# Altium PCB test.PcbDoc
Units mil, origin at the board's own origin, x right, y up, seen from the top; angles counter-clockwise.
Board outline 6000 x 4000 mil, 2 copper layers (Top Layer, Bottom Layer); 214 components, 128 nets, 538 pads, 0 vias.
Unrouted connection lines stored in the file: 330.
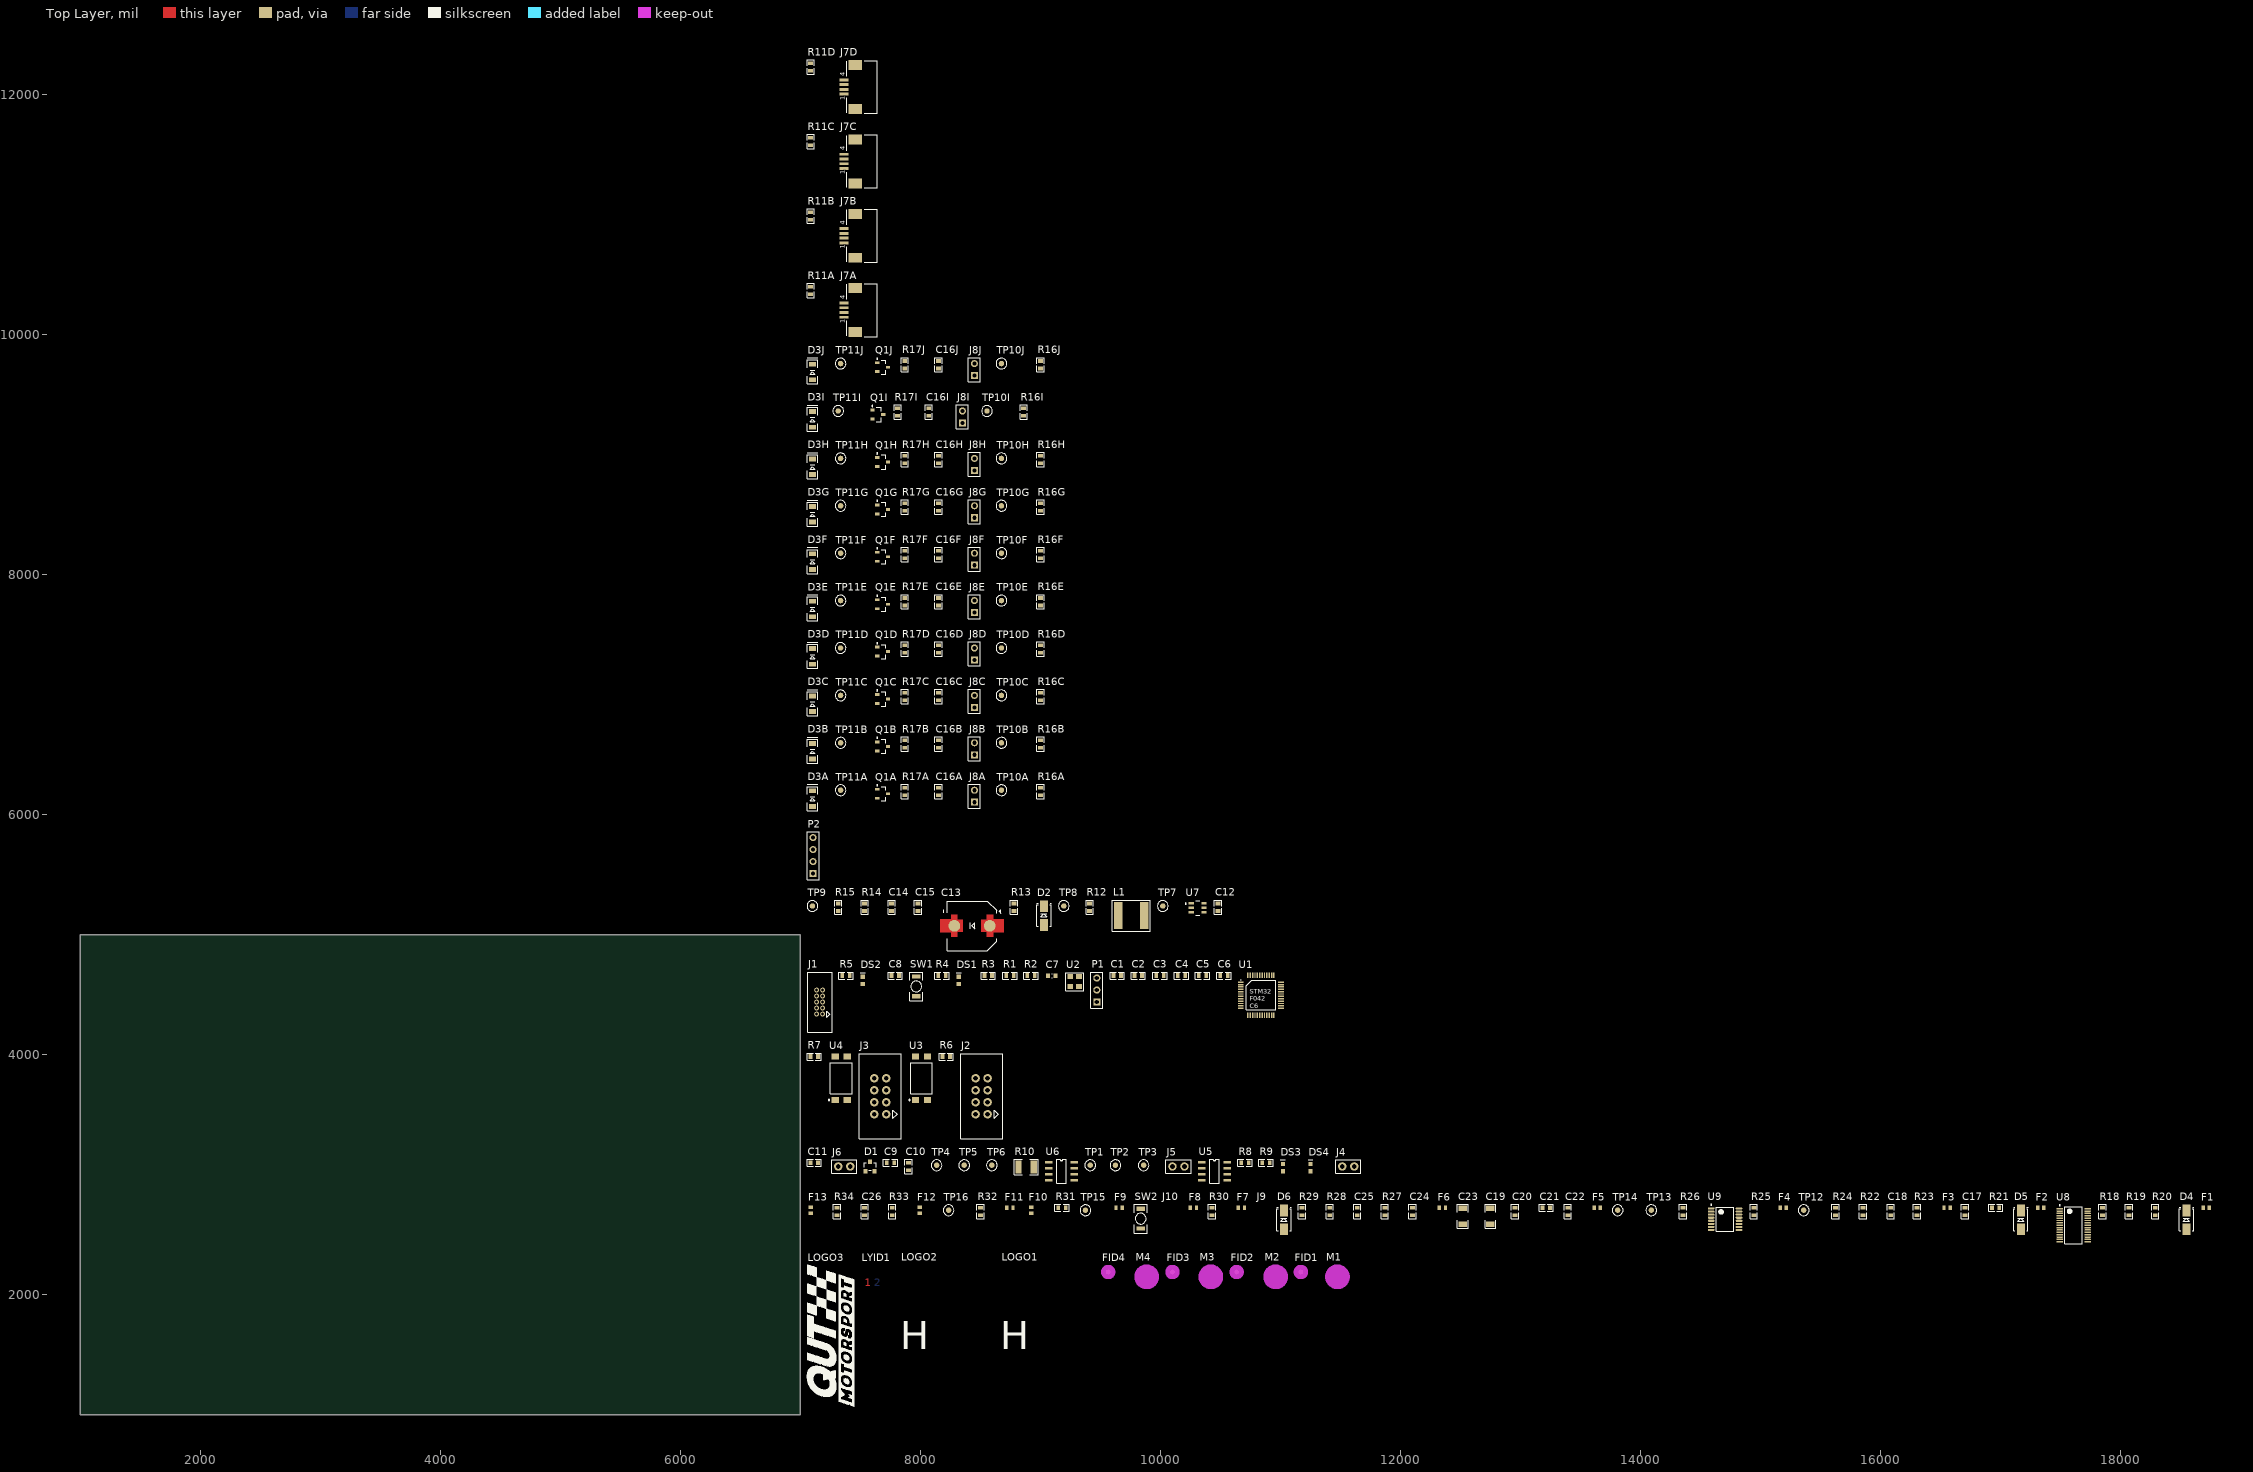
[diagram p0: Top Layer view]
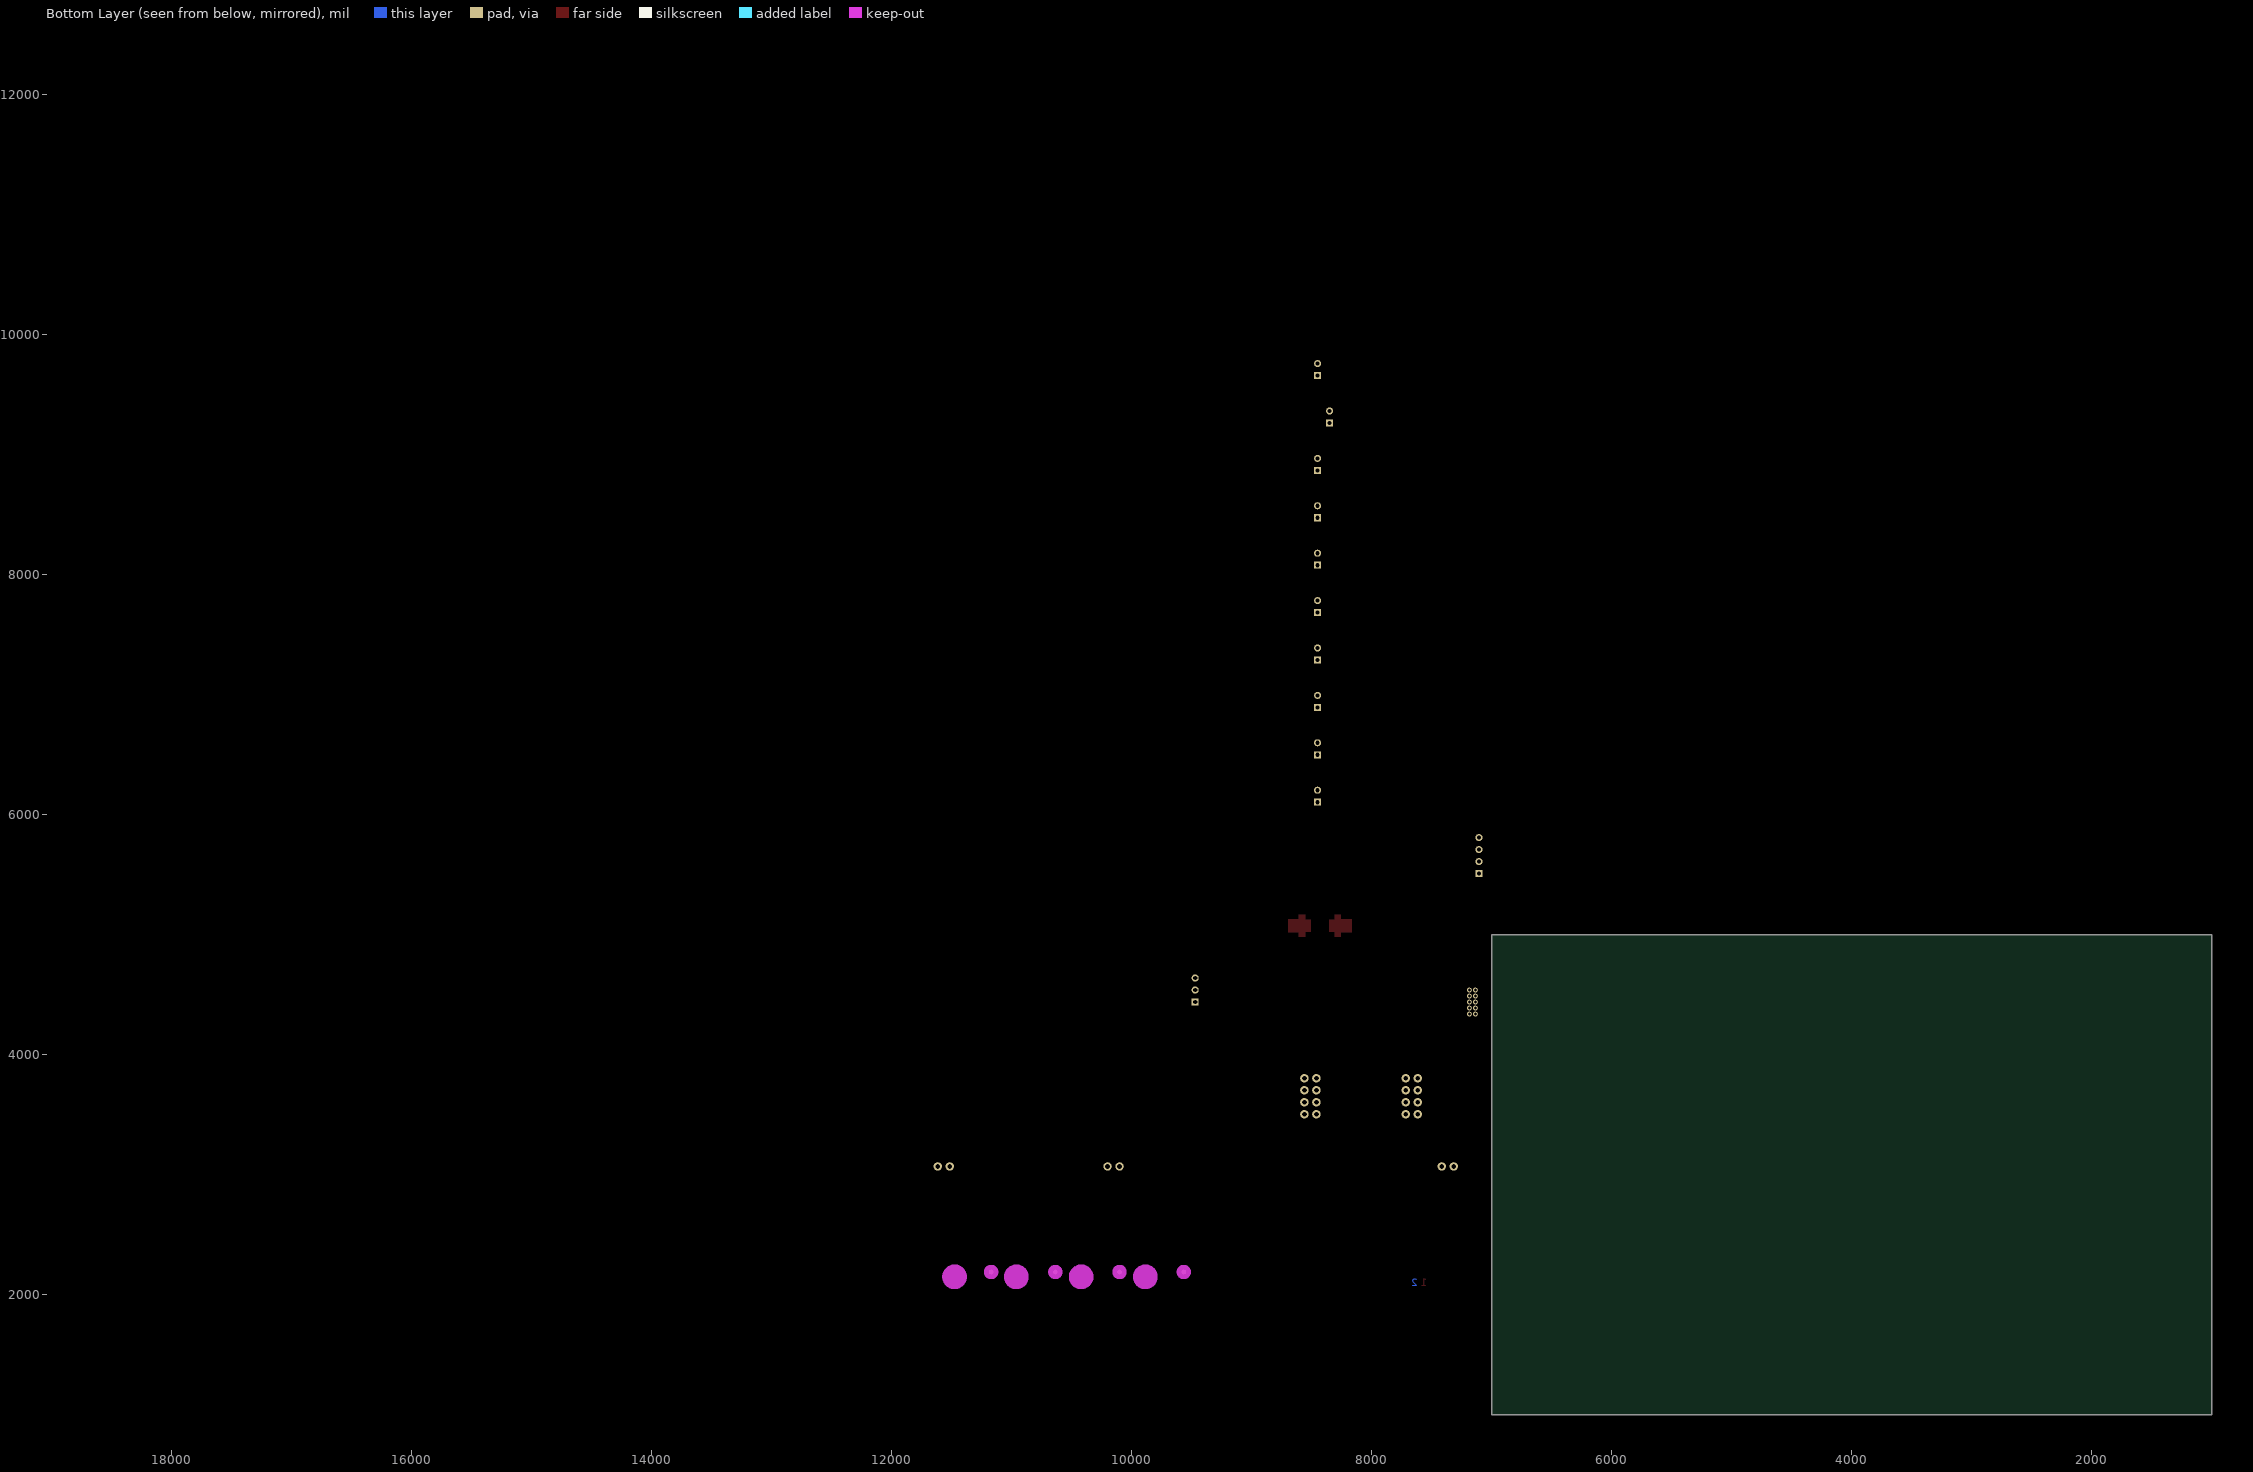
[diagram p1: Bottom Layer view, seen from below]

## Layer stack, top to bottom
Top Solder: solder mask 0.4, Solder Resist, Dk 3.5
Top Layer: signal copper 1.4
Dielectric 1: dielectric 12.6, FR-4, Dk 4.8
Bottom Layer: signal copper 1.4
Bottom Solder: solder mask 0.4, Solder Resist, Dk 3.5

## Board outline
1000,1000 7000,1000 7000,5000 1000,5000

## Design rules (kind name [scope] priority, off if disabled: settings)
Clearance [All] p1: gap=10 ignorepadtopadclearanceinfootprint=FALSE except(0: Arc-Hole Track-Hole SMDPad-Hole THPad-Hole Via-Hole Fill-Hole Poly-Hole Region-Hole Text-Hole)
PolygonConnect [All] p1: connectstyle=Relief reliefconductorwidth=10 reliefentries=4 polygonreliefangle="90 Angle" airgapwidth=10
RoomDefinition "Temperature Sensor Interface" [InComponentClass('Temperature Sensor Interface')] p1: confinementstyle=ConfineIn formatcopy=TRUE lockcomponents=FALSE outline 7045,5450 7180,5450 7180,5970 7045,5970
RoomDefinition PSU [InComponentClass('PSU')] p2: confinementstyle=ConfineIn formatcopy=TRUE lockcomponents=FALSE outline 7045,4850 10625,4850 10625,5400 7045,5400
RoomDefinition Microcontroller [InComponentClass('Microcontroller')] p3: confinementstyle=ConfineIn formatcopy=TRUE lockcomponents=FALSE outline 7045,4180 11040,4180 11040,4800 7045,4800
RoomDefinition Isolation [InComponentClass('Isolation')] p4: confinementstyle=ConfineIn formatcopy=TRUE lockcomponents=FALSE outline 7045,3290 8695,3290 8695,4125 7045,4125
RoomDefinition "Isolated CAN" [InComponentClass('Isolated CAN')] p5: confinementstyle=ConfineIn formatcopy=TRUE lockcomponents=FALSE outline 7045,2915 11680,2915 11680,3240 7045,3240
RoomDefinition FlexPCBTempSensors4 [InComponentClass('FlexPCBTempSensors4')] p6: confinementstyle=ConfineIn formatcopy=TRUE lockcomponents=FALSE outline 7045,11830 7650,11830 7650,12400 7045,12400
RoomDefinition FlexPCBTempSensors3 [InComponentClass('FlexPCBTempSensors3')] p7: confinementstyle=ConfineIn formatcopy=TRUE lockcomponents=FALSE outline 7045,11210 7650,11210 7650,11780 7045,11780
RoomDefinition FlexPCBTempSensors2 [InComponentClass('FlexPCBTempSensors2')] p8: confinementstyle=ConfineIn formatcopy=TRUE lockcomponents=FALSE outline 7045,10590 7650,10590 7650,11160 7045,11160
RoomDefinition FlexPCBTempSensors1 [InComponentClass('FlexPCBTempSensors1')] p9: confinementstyle=ConfineIn formatcopy=TRUE lockcomponents=FALSE outline 7045,9970 7650,9970 7650,10540 7045,10540
RoomDefinition "Cell Monitor" [InComponentClass('Cell Monitor')] p10: confinementstyle=ConfineIn formatcopy=TRUE lockcomponents=FALSE outline 7045,2405 18775,2405 18775,2865 7045,2865
RoomDefinition "CELL 10 INTERFACE" [InComponentClass('CELL 10 INTERFACE')] p11: confinementstyle=ConfineIn formatcopy=TRUE lockcomponents=FALSE outline 7045,9580 9205,9580 9205,9920 7045,9920
RoomDefinition "CELL 9 INTERFACE" [InComponentClass('CELL 9 INTERFACE')] p12: confinementstyle=ConfineIn formatcopy=TRUE lockcomponents=FALSE outline 7045,9185 9045,9185 9045,9525 7045,9525
RoomDefinition "CELL 8 INTERFACE" [InComponentClass('CELL 8 INTERFACE')] p13: confinementstyle=ConfineIn formatcopy=TRUE lockcomponents=FALSE outline 7045,8790 9205,8790 9205,9130 7045,9130
RoomDefinition "CELL 7 INTERFACE" [InComponentClass('CELL 7 INTERFACE')] p14: confinementstyle=ConfineIn formatcopy=TRUE lockcomponents=FALSE outline 7045,8395 9205,8395 9205,8735 7045,8735
RoomDefinition "CELL 6 INTERFACE" [InComponentClass('CELL 6 INTERFACE')] p15: confinementstyle=ConfineIn formatcopy=TRUE lockcomponents=FALSE outline 7045,8000 9205,8000 9205,8340 7045,8340
RoomDefinition "CELL 5 INTERFACE" [InComponentClass('CELL 5 INTERFACE')] p16: confinementstyle=ConfineIn formatcopy=TRUE lockcomponents=FALSE outline 7045,7605 9205,7605 9205,7945 7045,7945
RoomDefinition "CELL 4 INTERFACE" [InComponentClass('CELL 4 INTERFACE')] p17: confinementstyle=ConfineIn formatcopy=TRUE lockcomponents=FALSE outline 7045,7210 9205,7210 9205,7550 7045,7550
RoomDefinition "CELL 3 INTERFACE" [InComponentClass('CELL 3 INTERFACE')] p18: confinementstyle=ConfineIn formatcopy=TRUE lockcomponents=FALSE outline 7045,6815 9205,6815 9205,7155 7045,7155
RoomDefinition "CELL 2 INTERFACE" [InComponentClass('CELL 2 INTERFACE')] p19: confinementstyle=ConfineIn formatcopy=TRUE lockcomponents=FALSE outline 7045,6420 9205,6420 9205,6760 7045,6760
RoomDefinition "CELL 1 INTERFACE" [InComponentClass('CELL 1 INTERFACE')] p20: confinementstyle=ConfineIn formatcopy=TRUE lockcomponents=FALSE outline 7045,6025 9205,6025 9205,6365 7045,6365
RoomDefinition BMS-S01-V00-BatteryManagementSystem [InComponentClass('BMS-S01-V00-BatteryManagementSystem')] p21: confinementstyle=ConfineIn formatcopy=TRUE lockcomponents=FALSE outline 7045,1060 11585,1060 11585,2360 7045,2360
RoutingVias [All] p1: holewidth=28 width=50 viastyle="Through Hole" minholewidth=28 minwidth=50 maxholewidth=28 maxwidth=50
SolderMaskExpansion [All] p1: expansion=4 istentingtop=FALSE
Width "Schematic Width Constraint_24" [InNet('CV7')] p1: maxlimit=30 minlimit=15 preferedwidth=20 minimp=50.000000 maximp=50.000000 favimp=50.000000
Width "Schematic Width Constraint_23" [InNet('CVF3')] p2: maxlimit=30 minlimit=15 preferedwidth=20 minimp=50.000000 maximp=50.000000 favimp=50.000000
Width "Schematic Width Constraint_22" [InNet('C0')] p3: maxlimit=30 minlimit=15 preferedwidth=20 minimp=50.000000 maximp=50.000000 favimp=50.000000
Width "Schematic Width Constraint_21" [InNet('CV3')] p4: maxlimit=30 minlimit=15 preferedwidth=20 minimp=50.000000 maximp=50.000000 favimp=50.000000
Width "Schematic Width Constraint_20" [InNet('CV10')] p5: maxlimit=30 minlimit=15 preferedwidth=20 minimp=50.000000 maximp=50.000000 favimp=50.000000
Width "Schematic Width Constraint_19" [InNet('CV5')] p6: maxlimit=30 minlimit=15 preferedwidth=20 minimp=50.000000 maximp=50.000000 favimp=50.000000
Width "Schematic Width Constraint_18" [InNet('CV9')] p7: maxlimit=30 minlimit=15 preferedwidth=20 minimp=50.000000 maximp=50.000000 favimp=50.000000
Width "Schematic Width Constraint_17" [InNet('CV2')] p8: maxlimit=30 minlimit=15 preferedwidth=20 minimp=50.000000 maximp=50.000000 favimp=50.000000
Width "Schematic Width Constraint_16" [InNet('NetF1_2')] p9: maxlimit=30 minlimit=15 preferedwidth=20 minimp=50.000000 maximp=50.000000 favimp=50.000000
Width "Schematic Width Constraint_15" [InNet('CVF9')] p10: maxlimit=30 minlimit=15 preferedwidth=20 minimp=50.000000 maximp=50.000000 favimp=50.000000
Width "Schematic Width Constraint_14" [InNet('CVF5')] p11: maxlimit=30 minlimit=15 preferedwidth=20 minimp=50.000000 maximp=50.000000 favimp=50.000000
Width "Schematic Width Constraint_13" [InNet('C10')] p12: maxlimit=30 minlimit=15 preferedwidth=20 minimp=50.000000 maximp=50.000000 favimp=50.000000
Width "Schematic Width Constraint_12" [InNet('CVF0')] p13: maxlimit=30 minlimit=15 preferedwidth=20 minimp=50.000000 maximp=50.000000 favimp=50.000000
Width "Schematic Width Constraint_11" [InNet('CVF7')] p14: maxlimit=30 minlimit=15 preferedwidth=20 minimp=50.000000 maximp=50.000000 favimp=50.000000
Width "Schematic Width Constraint_10" [InNet('CV0')] p15: maxlimit=30 minlimit=15 preferedwidth=20 minimp=50.000000 maximp=50.000000 favimp=50.000000
Width "Schematic Width Constraint_9" [InNet('CV4')] p16: maxlimit=30 minlimit=15 preferedwidth=20 minimp=50.000000 maximp=50.000000 favimp=50.000000
Width "Schematic Width Constraint_8" [InNet('CVF1')] p17: maxlimit=30 minlimit=15 preferedwidth=20 minimp=50.000000 maximp=50.000000 favimp=50.000000
Width "Schematic Width Constraint_7" [InNet('CV8')] p18: maxlimit=30 minlimit=15 preferedwidth=20 minimp=50.000000 maximp=50.000000 favimp=50.000000
Width "Schematic Width Constraint_6" [InNet('CVF2')] p19: maxlimit=30 minlimit=15 preferedwidth=20 minimp=50.000000 maximp=50.000000 favimp=50.000000
Width "Schematic Width Constraint_5" [InNet('CVF6')] p20: maxlimit=30 minlimit=15 preferedwidth=20 minimp=50.000000 maximp=50.000000 favimp=50.000000
Width "Schematic Width Constraint_4" [InNet('CVF10')] p21: maxlimit=30 minlimit=15 preferedwidth=20 minimp=50.000000 maximp=50.000000 favimp=50.000000
Width "Schematic Width Constraint_3" [InNet('CVF4')] p22: maxlimit=30 minlimit=15 preferedwidth=20 minimp=50.000000 maximp=50.000000 favimp=50.000000
Width "Schematic Width Constraint_2" [InNet('CV1')] p23: maxlimit=30 minlimit=15 preferedwidth=20 minimp=50.000000 maximp=50.000000 favimp=50.000000
Width "Schematic Width Constraint_1" [InNet('CVF8')] p24: maxlimit=30 minlimit=15 preferedwidth=20 minimp=50.000000 maximp=50.000000 favimp=50.000000
Width "Schematic Width Constraint" [InNet('CV6')] p25: maxlimit=30 minlimit=15 preferedwidth=20 minimp=50.000000 maximp=50.000000 favimp=50.000000
Width [All] p26: maxlimit=10 minlimit=10 preferedwidth=10
30 further rules are at their usual default settings.

## Classes and differential pairs
channel class BMS-S09-V00-TemperatureSensors: FlexPCBTempSensors1 FlexPCBTempSensors2 FlexPCBTempSensors3 FlexPCBTempSensors4
channel class BMS-S03-V00-CellInterface: "CELL 1 INTERFACE" "CELL 2 INTERFACE" "CELL 3 INTERFACE" "CELL 4 INTERFACE" "CELL 5 INTERFACE" "CELL 6 INTERFACE" "CELL 7 INTERFACE" "CELL 8 INTERFACE" "CELL 9 INTERFACE" "CELL 10 INTERFACE"
net class TEMP[1..4]: TEMP1 TEMP2 TEMP3 TEMP4
component class "Temperature Sensor Interface": P2
component class PSU: C12 C13 C14 C15 D2 L1 R12 R13 R14 R15 TP7 TP8 TP9 U7
component class Microcontroller: C1 C2 C3 C4 C5 C6 C7 C8 DS1 DS2 J1 P1 R1 R2 R3 R4 R5 SW1 U1 U2
component class Isolation: J2 J3 R6 R7 U3 U4
component class "Isolated CAN": C9 C10 C11 D1 DS3 DS4 J4 J5 J6 R8 R9 R10 TP1 TP2 TP3 TP4 TP5 TP6 U5 U6
component class FlexPCBTempSensors4: J7D R11D
component class FlexPCBTempSensors3: J7C R11C
component class FlexPCBTempSensors2: J7B R11B
component class FlexPCBTempSensors1: J7A R11A
component class "Cell Monitor": C17 C18 C19 C20 C21 C22 C23 C24 C25 C26 D4 D5 D6 F1 F2 F3 F4 F5 F6 F7 F8 F9 F10 F11 F12 F13 J9 J10 Q2 Q3 R18 R19 R20 R21 R22 R23 R24 R25 R26 R27 R28 R29 R30 R31 R32 R33 R34 SW2 TP12 TP13 TP14 TP15 TP16 U8 U9
component class "CELL 10 INTERFACE": C16J D3J J8J Q1J R16J R17J TP10J TP11J
component class "CELL 9 INTERFACE": C16I D3I J8I Q1I R16I R17I TP10I TP11I
component class "CELL 8 INTERFACE": C16H D3H J8H Q1H R16H R17H TP10H TP11H
component class "CELL 7 INTERFACE": C16G D3G J8G Q1G R16G R17G TP10G TP11G
component class "CELL 6 INTERFACE": C16F D3F J8F Q1F R16F R17F TP10F TP11F
component class "CELL 5 INTERFACE": C16E D3E J8E Q1E R16E R17E TP10E TP11E
component class "CELL 4 INTERFACE": C16D D3D J8D Q1D R16D R17D TP10D TP11D
component class "CELL 3 INTERFACE": C16C D3C J8C Q1C R16C R17C TP10C TP11C
component class "CELL 2 INTERFACE": C16B D3B J8B Q1B R16B R17B TP10B TP11B
component class "CELL 1 INTERFACE": C16A D3A J8A Q1A R16A R17A TP10A TP11A
component class BMS-S01-V00-BatteryManagementSystem: FID1 FID2 FID3 FID4 LOGO1 LOGO2 LOGO3 LYID1 M1 M2 M3 M4
